# Altium PCB Antenny_v6.PcbDoc (part 1 of 2) (continued)
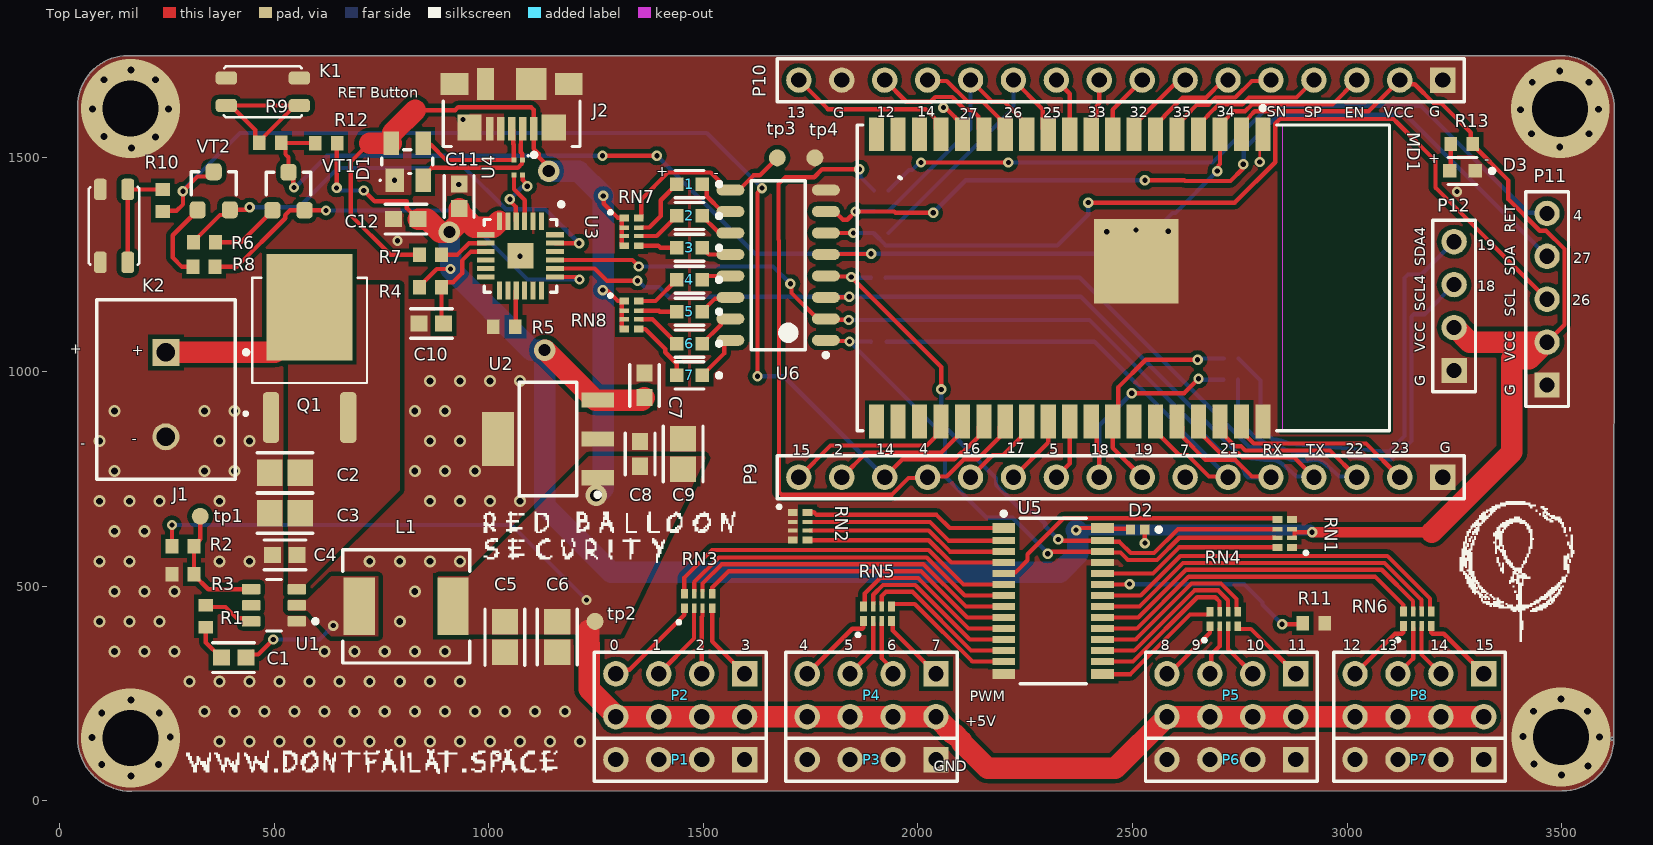
[diagram p0: Top Layer view]
## Part data (continued)
J1: library part CMP-1684-00017-1, "Female Header, Pitch 5 mm, 1 x 2 Position, Height 10 mm, Tail Length 3.5 mm, Rohs, Bulk", Color=Green, Current=13.5A, Manufacturer="TE Connectivity", Package Description="Female Header, Pitch 5 mm, 1 x 2 Position, Height 10 mm, Tail Length 3.5 mm", Package Reference=THD, Standard Package=300, Voltage=300V, 3D Model=282836-2.pdf, Category=Connectors,Interconnects, Clamp Material - Plating=Brass-NickelPlated, Contact Material - Plating=Brass-TinPlated, Datasheet URL=http://www.te.com.cn/commerce/DocumentDelivery/DDEController?Action=showdoc&DocId=Catalog+Section%7F1308389_EUROSTYLE_TERMINAL_BLOCKS%7F0607%7Fpdf%7FEnglish%7FENG_CS_1308389_EUROSTYLE_TERMINAL_BLOCKS_0607.pdf%7F282836-2, Dynamic Catalog=BuchananSeries, Family=TerminalBlocks-WiretoBoard, Featured Product=EurostyleTerminalBlockConnectors, Features=Interlocking(Side), Housing Material=Polyamide(PA66),Nylon6/6, Manufacturer URL=http://www.te.com, Mating Orientation=HorizontalwithBoard, Mounting Type=ThroughHole, Number of Levels=1, Other Names="5ULV-02B / A98076", Packaging=Bulk, Pitch="0.197\"(5.00mm)", Positions Per Level=2, Product Training Modules=Wire-to-BoardEurostyleTerminalBlocks, RoHS Information=282836-2StatementofCompliance, Screw Material - Plating=Brass-NickelPlated, Screw Thread=M3, Series=Buchanan, Torque - Screw=0.68Nm(6Lb-In), Wire Gauge=16-30AWG, Wire Termination=Screw-RisingCageClamp
J2: library part CMP-2000-05246-2, "CONN RCPT USB2.0 MICRO B SMD R/A", Current Rating=1.8A, Manufacturer=Molex, Package=0, Temperature="-30°C to +85°C", Temperature Range High=+85°C, Temperature Range Low=-30°C, Voltage Rating=30V, Automotive=No, Category=Conn, ComponentLink2Description=Datasheet, ComponentLink2URL=https://www.molex.com/webdocs/datasheets/pdf/en-us/0473460001_IO_CONNECTORS.pdf, Conn Orientation="Right Angle", Contact Material=Gold,Nickel, Device Class L1=Connectors, Device Class L2="USB Connectors", Device Class L3=unset, Digikey Description="CONN RCPT USB2.0 MICRO B SMD R/A", Footprint Url=https://www.molex.com/pdm_docs/sd/473460001_sd.pdf, Height=2.945mm, Is Female=yes, Lead Free=Yes, Manufacturer Part Number=473460001, Number of Contacts=5, Octopart=https://octopart.com/47346-0001-molex-7164928, Pitch=0.65mm, RoHS=TRUE, Shielding=true, Usb Standard="USB 2.0"
J3 J4 J5 J6 J7 J8 J9: "Resistor"
K1 K2: library part ButtonTACT, "Black Button Tactile Switch, Single Pole Single Throw (SPST) 50 mA 0.65mm Surface Mount", Case/Package=SMD/SMT, Contact Resistance=100mR, Current Rating=50mA, Manufacturer="Alps Electric", Max Operating Temperature=85°C, Max Voltage Rating (DC)=12V, Min Operating Temperature=-30°C, Operating Force=2.2N, Supplier Part Number 1=66AH7069, Actuator Length=0.65mm, Category="Tactile Switches", ComponentLink1Description=https://datasheet.ciiva.com/16156/sksc-16156198.pdf?src-supplier=Onlinecomponents.com, ComponentLink1URL=https://datasheet.ciiva.com/16156/sksc-16156198.pdf?src-supplier=Onlinecomponents.com, Contact Plating=Silver, Depth=3.85mm, Electrical Life=100000Cycles, Lead Free="Lead Free", Length=4.85mm, Manufacturer Part Number=SKSCLAE010, Max Current Rating=50mA, Mount="Surface Mount", Orientation="Right Angle", Packaging="Tape and Reel", Pricing 1="10=0.89600, 25=0.76800, 50=0.68700, 100=0.62100 (USD)", Radiation Hardening=No, RoHS=Yes, RoHS Compliant=Yes, Series=SKSC, Stock 1=4920, Supplier 1=Newark, Termination="Gull Wing", Throw Configuration=SPST, Type="TACT 4P", Voltage Rating (DC)=12V
L1: library part SRP6540, "0650_5.6UH, made in china", Case/Package=2826, Current Rating=5.5A, DC Resistance (DCR)=38mR, Inductance=5.6uH, Inductance Tolerance=20%, Manufacturer=Bourns, Manufacturer Part Number=SRP6540-5R6M, Max Operating Temperature=125°C, Min Operating Temperature=-55°C, Package Quantity=1200, Resistor Type=Wirewound, Saturation Current=6A, Self Resonant Frequency=100kHz, Supplier Part Number 1=SRP6540-5R6MCT-ND, Category="Fixed Inductors", ComponentLink1Description=https://datasheet.ciiva.com/15022/srp6540-15022023.pdf?src-supplier=Digi-Key, ComponentLink1URL=https://datasheet.ciiva.com/15022/srp6540-15022023.pdf?src-supplier=Digi-Key, ComponentLink2Description=Datasheet, ComponentLink2URL=https://www.bourns.com/docs/Product-Datasheets/SRP6540.pdf, ComponentLink3Description=https://datasheet.ciiva.com/15022/srp6540-15022024.pdf?src-supplier=Digi-Key, ComponentLink3URL=https://datasheet.ciiva.com/15022/srp6540-15022024.pdf?src-supplier=Digi-Key, ComponentLink4Description=https://datasheet.ciiva.com/15022/srp6540-15022025.pdf?src-supplier=Digi-Key, ComponentLink4URL=https://datasheet.ciiva.com/15022/srp6540-15022025.pdf?src-supplier=Digi-Key, ComponentLink5Description=https://datasheet.ciiva.com/17055/70281705-17055175.pdf?src-supplier=Allied+Electronics, ComponentLink5URL=https://datasheet.ciiva.com/17055/70281705-17055175.pdf?src-supplier=Allied+Electronics, ComponentLink6Description=https://datasheet.ciiva.com/28679/1698468-28679621.pdf?src-supplier=Element14, ComponentLink6URL=https://datasheet.ciiva.com/28679/1698468-28679621.pdf?src-supplier=Element14, Contact Plating=Tin, Core Material=Ferrite, Depth=6.7mm, Height=4mm, Height - Seated (Max)=0.157inch, Length=7.2mm, Material=Ferrite, Max DC Current=5.5A, Military Standard=Not, Mount="Surface Mount", Package=SRP6540, Packaging="Tape and Reel", Pricing 1="1=1.43000, 10=1.32600, 25=1.22360, 50=1.01980, 100=0.95860, 250=0.85664, 500=0.73426 (USD)", REACH SVHC="No SVHC", RMS Current (Irms)=5.5A, RoHS=Yes, Sample Rate (Hz)=100kHz, Series=SRP6540, Shielding=Shielded, Stock 1=95, Supplier 1=Digi-Key, Termination=SMD/SMT, Test Frequency=100kHz, Tolerance=20%, Width=6.5mm
MD1: library part CMP-194065-000005-1, "SMD MODULE, ESP32-D0WDQ6", Manufacturer="Espressif Systems", Manufacturer Part Number=ESP32-WROVER, Max Frequency=2.5GHz, Max Supply Voltage=3.6V, Min Supply Voltage=2.3V, Nominal Supply Current=80mA, Temperature="-40°C to +85°C", Temperature Range High=+85°C, Temperature Range Low=-40°C, Automotive=No, Bandwidth=0.1GHz, Category=UNK, ComponentLink2Description=Datasheet, ComponentLink2URL=https://forum.upverter.com/uploads/default/original/3X/1/9/19ab4f33dd815ce1b2b0bb210f0ab7d5aab1dea3.pdf, Data Rate=150Mbits/s, Device Class L1="Integrated Circuits (ICs)", Device Class L2="RF Semiconductors and Devices", Device Class L3=Transceivers, Digikey Description="SMD MODULE, ESP32-D0WDQ6, 32MBIT", Height=3.4mm, Interface=I2C,SPI,UART,I2S,Other, Lead Free=Yes, Mouser Description="Bluetooth and Wi-Fi Module 2.4GHz to 2.5GHz 2.3V to 3.6V 38-Pin SMD Module", Number Of Adc Channels=16, Number Of Gpio=20, Octopart=https://octopart.com/esp32-wrover-espressif+systems-89171348, Package=ESP32-WROVER, RoHS=TRUE, Sensitivity=-98dBm
P1 P3 P6 P7 P12: "Header, 4-Pin", LatestRevisionDate=17-Jul-2002, LatestRevisionNote="Re-released for DXP Platform.", Publisher="Altium Limited"
P2 P4 P5 P8: "Header, 4-Pin, Dual row", LatestRevisionDate=17-Jul-2002, LatestRevisionNote="Re-released for DXP Platform.", Publisher="Altium Limited"
P9 P10: "Header, 16-Pin", LatestRevisionDate=17-Jul-2002, LatestRevisionNote="Re-released for DXP Platform.", Publisher="Altium Limited"
P11: "Header, 5-Pin", LatestRevisionDate=17-Jul-2002, LatestRevisionNote="Re-released for DXP Platform.", Publisher="Altium Limited"
Q1: library part PMOS, "Trans MOSFET P-CH 30V 25A 3-Pin(2+Tab) DPAK", Case/Package=TO-252-3, Continuous Drain Current (ID)=25A, Drain to Source Voltage (Vdss)=30V, Gate to Source Voltage (Vgs)=20V, Input Capacitance=920pF, Manufacturer="Alpha & Omega Semiconductor", Manufacturer Part Number=AOD417, Max Operating Temperature=175°C, Max Power Dissipation=2.5W, Min Operating Temperature=-55°C, Category=MOSFETs, ComponentLink1Description=https://datasheet.ciiva.com/940/aod417-940788.pdf?src-supplier=Digi-Key, ComponentLink1URL=https://datasheet.ciiva.com/940/aod417-940788.pdf?src-supplier=Digi-Key, ComponentLink2Description=https://datasheet.ciiva.com/940/aod417-940790.pdf?src-supplier=Digi-Key, ComponentLink2URL=https://datasheet.ciiva.com/940/aod417-940790.pdf?src-supplier=Digi-Key, Lead Free="Lead Free", Mount="Surface Mount", Number of Elements=1, Number of Pins=3, Packaging="Tape and Reel", Power Dissipation=2.5W, Pricing 1="1=0.61400, 2500=0.47000, 25000=0.43700, 250000=0.25070, 1250000=0.16350, 2500000=0.16290, 25000=0.43560, 250000=0.24230, 1250000=0.15210, 2500000=0.15150 (USD)", Rds On Max=34mR, RoHS=Yes, RoHS Compliant=Yes, Series=-, Stock 1=7, Supplier 1="Arrow Electronics", Supplier Part Number 1=AOD417
R1: library part R0603, "Resistor;Resistance:30Rohm;Resistance Tolerance:± 1%;Resistor Element Material:Thick Film;Resistor Case Style:0603", Case Code (Imperial)=0603, Case Code (Metric)=1608, Manufacturer=Yageo, Manufacturer Part Number=RC0603FR-0730RL, Max Operating Temperature=155°C, Max Power Dissipation=100mW, Min Operating Temperature=-55°C, Package Quantity=1, Resistance=30R, Resistor Type="Thick Film", Supplier Part Number 1=311-30.0HRCT-ND, Temperature Coefficient=100ppm/°C, Tolerance=1%, Voltage Rating=50V, Case/Package=0603, Category="Chip SMD Resistors", ComponentLink1Description=https://datasheet.ciiva.com/11819/0900766b80c66297-11819676.pdf?src-supplier=RSComponents, ComponentLink1URL=https://datasheet.ciiva.com/11819/0900766b80c66297-11819676.pdf?src-supplier=RSComponents, ComponentLink2Description=https://datasheet.ciiva.com/2455/pyu-r-int-thick-7-2455119.pdf?src-supplier=Digi-Key, ComponentLink2URL=https://datasheet.ciiva.com/2455/pyu-r-int-thick-7-2455119.pdf?src-supplier=Digi-Key, ComponentLink3Description=https://datasheet.ciiva.com/2455/pyu-r-int-thick-7-2455120.pdf?src-supplier=Digi-Key, ComponentLink3URL=https://datasheet.ciiva.com/2455/pyu-r-int-thick-7-2455120.pdf?src-supplier=Digi-Key, ComponentLink4Description=https://datasheet.ciiva.com/2455/pyu-r-int-thick-7-2455121.pdf?src-supplier=Digi-Key, ComponentLink4URL=https://datasheet.ciiva.com/2455/pyu-r-int-thick-7-2455121.pdf?src-supplier=Digi-Key, Construction=Rectangular, Depth=0.8mm, Features="Moisture Resistant", Height=0.022inch, Lead Free="Lead Free", Length=0.063inch, Military Standard=Not, Mount="Surface Mount", Number of Terminations=2, Packaging="Tape and Reel", Power Rating=100mW, Pricing 1="1=0.10000, 10=0.02400, 100=0.00970, 1000=0.00436, 2500=0.00378 (USD)", RoHS=Yes, RoHS Compliant=Yes, Series=RC, Size Code=0603, Stock 1=13188, Supplier 1=Digi-Key, Technology="THICK FILM", Termination=SMD/SMT, Voltage Rating (DC)=50V, Width=0.031inch
R2: library part R0603, "Res Thick Film 0603 52.3K Ohm 1% 0.1W(1/10W) ±100ppm/C Pad SMD Automotive T/R", Case Code (Imperial)=0603, Case Code (Metric)=1608, Manufacturer=Vishay, Manufacturer Part Number=CRCW060352K3FKEA, Max Operating Temperature=155°C, Max Power Dissipation=100mW, Min Operating Temperature=-55°C, Package Quantity=10, Resistance=52.3kR, Resistance Tolerance=1%, Resistor Type="Thick Film", Supplier Part Number 1=541-52.3KHCT-ND, Temperature Coefficient=100ppm/°C, Voltage Rating=75V, Case/Package=0603, Category="Chip SMD Resistors", ComponentLink1Description=https://datasheet.ciiva.com/5541/dcrcwe3-109170-5541062.pdf?src-supplier=Mouser, ComponentLink1URL=https://datasheet.ciiva.com/5541/dcrcwe3-109170-5541062.pdf?src-supplier=Mouser, ComponentLink2Description=https://datasheet.ciiva.com/3257/dcrcwe3-3257708.pdf?src-supplier=Avnet, ComponentLink2URL=https://datasheet.ciiva.com/3257/dcrcwe3-3257708.pdf?src-supplier=Avnet, ComponentLink3Description=https://datasheet.ciiva.com/2466/dcrcwe3-2466068.pdf?src-supplier=Digi-Key, ComponentLink3URL=https://datasheet.ciiva.com/2466/dcrcwe3-2466068.pdf?src-supplier=Digi-Key, ComponentLink4Description=https://datasheet.ciiva.com/2466/dcrcwe3-2466069.pdf?src-supplier=Digi-Key, ComponentLink4URL=https://datasheet.ciiva.com/2466/dcrcwe3-2466069.pdf?src-supplier=Digi-Key, ComponentLink5Description=https://datasheet.ciiva.com/2466/dcrcwe3-2466070.pdf?src-supplier=Digi-Key, ComponentLink5URL=https://datasheet.ciiva.com/2466/dcrcwe3-2466070.pdf?src-supplier=Digi-Key, ComponentLink6Description=https://datasheet.ciiva.com/16426/dcrcwe3-16426232.pdf?src-supplier=Future+Electronics, ComponentLink6URL=https://datasheet.ciiva.com/16426/dcrcwe3-16426232.pdf?src-supplier=Future+Electronics, ComponentLink7Description=https://datasheet.ciiva.com/16760/70201119-16760489.pdf?src-supplier=Allied+Electronics, ComponentLink7URL=https://datasheet.ciiva.com/16760/70201119-16760489.pdf?src-supplier=Allied+Electronics, ComponentLink8Description=https://datasheet.ciiva.com/7792/125364-7792327.pdf?src-supplier=Element14, ComponentLink8URL=https://datasheet.ciiva.com/7792/125364-7792327.pdf?src-supplier=Element14, ComponentLink9Description=https://datasheet.ciiva.com/22702/1697337-22702730.pdf?src-supplier=Element14, ComponentLink9URL=https://datasheet.ciiva.com/22702/1697337-22702730.pdf?src-supplier=Element14, ComponentLink10Description=https://datasheet.ciiva.com/7816/1697337-7816042.pdf?src-supplier=Element14, ComponentLink10URL=https://datasheet.ciiva.com/7816/1697337-7816042.pdf?src-supplier=Element14, ComponentLink11Description=https://datasheet.ciiva.com/7816/1697337-7816043.pdf?src-supplier=Element14, ComponentLink11URL=https://datasheet.ciiva.com/7816/1697337-7816043.pdf?src-supplier=Element14, ComponentLink12Description=https://datasheet.ciiva.com/22870/70201119-22870776.pdf?src-supplier=Allied+Electronics, ComponentLink12URL=https://datasheet.ciiva.com/22870/70201119-22870776.pdf?src-supplier=Allied+Electronics, Construction=Rectangular, Contact Plating=Tin, Depth=0.85mm, Features="Automotive AEC-Q200", Height=0.45mm, Length=1.55mm, Military Standard=Not, Number of Pins=2, Number of Terminations=2, Packaging="Tape and Reel", Power Rating=100mW, Pricing 1="1=0.10000, 10=0.03800, 100=0.01560, 1000=0.00701, 2500=0.00608 (USD)", Radiation Hardening=No, REACH SVHC=Unknown, RoHS=Yes, RoHS Compliant=Yes, Series=CRCW, Size Code=0603, Stock 1=93162, Supplier 1=Digi-Key, Technology="THICK FILM", Termination=SMD/SMT, Tolerance=1%, Weight=7.1E-05oz, Width=0.033inch
R3: library part R0603, "VISHAY - CRCW060310K0FKEA - RES, THICK FILM, 10K, 1%, 0.1W, 0603", Case Code (Imperial)=0603, Case Code (Metric)=1608, Manufacturer=Vishay, Manufacturer Part Number=CRCW060310K0FKEA, Max Operating Temperature=155°C, Max Power Dissipation=100mW, Min Operating Temperature=-55°C, Package Quantity=10, Resistance=10kR, Resistance Tolerance=1%, Resistor Type="Thick Film", Supplier Part Number 1=8926099, Temperature Coefficient=100ppm/°C, Voltage Rating=75V, Case/Package=0603, Category="Chip SMD Resistors", ComponentLink1Description=https://datasheet.ciiva.com/11809/0900766b80d98afc-11809037.pdf?src-supplier=RSComponents, ComponentLink1URL=https://datasheet.ciiva.com/11809/0900766b80d98afc-11809037.pdf?src-supplier=RSComponents, ComponentLink2Description=https://datasheet.ciiva.com/5543/dcrcwe3-109170-5543001.pdf?src-supplier=Mouser, ComponentLink2URL=https://datasheet.ciiva.com/5543/dcrcwe3-109170-5543001.pdf?src-supplier=Mouser, ComponentLink3Description=https://datasheet.ciiva.com/3256/dcrcwe3-3256939.pdf?src-supplier=Avnet, ComponentLink3URL=https://datasheet.ciiva.com/3256/dcrcwe3-3256939.pdf?src-supplier=Avnet, ComponentLink4Description=https://datasheet.ciiva.com/3256/dcrcwe3-3256940.pdf?src-supplier=Avnet, ComponentLink4URL=https://datasheet.ciiva.com/3256/dcrcwe3-3256940.pdf?src-supplier=Avnet, ComponentLink5Description=https://datasheet.ciiva.com/2465/dcrcwe3-2465513.pdf?src-supplier=Digi-Key, ComponentLink5URL=https://datasheet.ciiva.com/2465/dcrcwe3-2465513.pdf?src-supplier=Digi-Key, ComponentLink6Description=https://datasheet.ciiva.com/2465/dcrcwe3-2465514.pdf?src-supplier=Digi-Key, ComponentLink6URL=https://datasheet.ciiva.com/2465/dcrcwe3-2465514.pdf?src-supplier=Digi-Key, ComponentLink7Description=https://datasheet.ciiva.com/2465/dcrcwe3-2465515.pdf?src-supplier=Digi-Key, ComponentLink7URL=https://datasheet.ciiva.com/2465/dcrcwe3-2465515.pdf?src-supplier=Digi-Key, ComponentLink8Description=https://datasheet.ciiva.com/26821/getdatasheetpartid-86831-26821109.pdf?src-supplier=Verical, ComponentLink8URL=https://datasheet.ciiva.com/26821/getdatasheetpartid-86831-26821109.pdf?src-supplier=Verical, ComponentLink9Description=https://datasheet.ciiva.com/16754/70201119-16754710.pdf?src-supplier=Allied+Electronics, ComponentLink9URL=https://datasheet.ciiva.com/16754/70201119-16754710.pdf?src-supplier=Allied+Electronics, ComponentLink10Description=https://datasheet.ciiva.com/16719/70201119-16719704.pdf?src-supplier=Allied+Electronics, ComponentLink10URL=https://datasheet.ciiva.com/16719/70201119-16719704.pdf?src-supplier=Allied+Electronics, ComponentLink11Description=https://datasheet.ciiva.com/16886/dcrcw-16886037.pdf?src-supplier=Avnet+Europe, ComponentLink11URL=https://datasheet.ciiva.com/16886/dcrcw-16886037.pdf?src-supplier=Avnet+Europe, ComponentLink12Description=https://datasheet.ciiva.com/26314/fld-crcw-e3-data-en-26314749.pdf?src-supplier=Distrelec, ComponentLink12URL=https://datasheet.ciiva.com/26314/fld-crcw-e3-data-en-26314749.pdf?src-supplier=Distrelec, ComponentLink13Description=https://datasheet.ciiva.com/16209/dcrcwe3-16209164.pdf?src-supplier=Future+Electronics, ComponentLink13URL=https://datasheet.ciiva.com/16209/dcrcwe3-16209164.pdf?src-supplier=Future+Electronics, ComponentLink14Description=https://datasheet.ciiva.com/46385/1697337-46385498.pdf?src-supplier=Element14, ComponentLink14URL=https://datasheet.ciiva.com/46385/1697337-46385498.pdf?src-supplier=Element14, Construction=Rectangular, Contact Plating=Tin,Lead, Depth=0.85mm, Features="Automotive AEC-Q200", Height=0.45mm, Lead Free="Lead Free", Length=1.55mm, Military Standard=Not, Number of Pins=2, Number of Terminations=2, Packaging="Tape and Reel", Power Rating=100mW, Pricing 1="5000=0.00790 (USD)", Radiation Hardening=No, REACH SVHC=Unknown, RoHS=Yes, RoHS Compliant=Yes, Series=CRCW, Size Code=0603, Stock 1=1870000, Supplier 1="Future Electronics", Technology="THICK FILM", Termination=SMD/SMT, Tolerance=1%, Voltage Rating (DC)=75V, Weight=7.1E-05oz, Width=0.033inch
R4 R5 R6 R7 R8 R11 R12: library part R0603, "PANASONIC - ERJ-3EKF1002V. - THICK FILM CHIP RES, 0603, 1%, PRECISION", Case Code (Imperial)=0603, Case Code (Metric)=1608, Manufacturer=Panasonic, Manufacturer Part Number=ERJ-3EKF1002V, Max Operating Temperature=155°C, Max Power Dissipation=100mW, Min Operating Temperature=-55°C, Package Quantity=1, Resistance=10kR, Resistance Tolerance=1%, Resistor Type="Thick Film", Supplier Part Number 1=85Y8501, Temperature Coefficient=100ppm/°C, Voltage Rating=75V, Case/Package=0603, Category="Chip SMD Resistors", ComponentLink1Description=https://datasheet.ciiva.com/48530/aoa0000ce2-48530988.pdf?src-supplier=Avnet, ComponentLink1URL=https://datasheet.ciiva.com/48530/aoa0000ce2-48530988.pdf?src-supplier=Avnet, ComponentLink2Description=https://datasheet.ciiva.com/24070/aoa0000ce2-24070318.pdf?src-supplier=Mouser, ComponentLink2URL=https://datasheet.ciiva.com/24070/aoa0000ce2-24070318.pdf?src-supplier=Mouser, ComponentLink3Description=https://datasheet.ciiva.com/9194/aoa0000ce2-9194199.pdf?src-supplier=Avnet, ComponentLink3URL=https://datasheet.ciiva.com/9194/aoa0000ce2-9194199.pdf?src-supplier=Avnet, ComponentLink4Description=https://datasheet.ciiva.com/30208/aoa0000ce2-30208985.pdf?src-supplier=Onlinecomponents.com, ComponentLink4URL=https://datasheet.ciiva.com/30208/aoa0000ce2-30208985.pdf?src-supplier=Onlinecomponents.com, ComponentLink5Description=https://datasheet.ciiva.com/16759/70260748-16759807.pdf?src-supplier=Allied+Electronics, ComponentLink5URL=https://datasheet.ciiva.com/16759/70260748-16759807.pdf?src-supplier=Allied+Electronics, ComponentLink6Description=https://datasheet.ciiva.com/7830/aoa0000ce2-7830729.pdf?src-supplier=Element14, ComponentLink6URL=https://datasheet.ciiva.com/7830/aoa0000ce2-7830729.pdf?src-supplier=Element14, ComponentLink7Description=https://datasheet.ciiva.com/28514/426256-28514198.pdf?src-supplier=Element14, ComponentLink7URL=https://datasheet.ciiva.com/28514/426256-28514198.pdf?src-supplier=Element14, ComponentLink8Description=https://datasheet.ciiva.com/46372/1678782-46372725.pdf?src-supplier=Element14, ComponentLink8URL=https://datasheet.ciiva.com/46372/1678782-46372725.pdf?src-supplier=Element14, ComponentLink9Description=https://datasheet.ciiva.com/16511/aoa0000ce2-16511861.pdf?src-supplier=Avnet+Asia, ComponentLink9URL=https://datasheet.ciiva.com/16511/aoa0000ce2-16511861.pdf?src-supplier=Avnet+Asia, ComponentLink10Description=https://datasheet.ciiva.com/17212/aoa0000ce2-17212105.pdf?src-supplier=Avnet+Europe, ComponentLink10URL=https://datasheet.ciiva.com/17212/aoa0000ce2-17212105.pdf?src-supplier=Avnet+Europe, Construction=Rectangular, Contact Plating=Tin, Depth=0.8mm, Features="Automotive AEC-Q200", Height=0.45mm, Lead Free="Lead Free", Length=1.6mm, Military Standard=Not, Mount="Surface Mount", Number of Pins=2, Number of Terminations=2, Packaging="Tape and Reel", Power Rating=100mW, Pricing 1="5000=0.00900, 10000=0.00900 (USD)", Radiation Hardening=No, REACH SVHC="No SVHC", RoHS=Yes, RoHS Compliant=Yes, Series=ERJ, Size Code=0603, Stock 1=27295001, Supplier 1=Newark, Technology="THICK FILM", Termination=SMD/SMT, Tolerance=1%, Voltage Rating (DC)=75V, Width=0.031inch
R9 R10 R13: library part R0603, "Res Thin Film 0603 1K Ohm 0.1% 1/10W ±25ppm/°C Molded SMD SMD Punched Carrier T/R", Case Code (Imperial)=0603, Case Code (Metric)=1608, Manufacturer=Panasonic, Manufacturer Part Number=ERA-3AEB102V, Max Operating Temperature=155°C, Max Power Dissipation=100mW, Min Operating Temperature=-55°C, Package Quantity=5000, Resistance=1kR, Resistance Tolerance=0.1%, Resistor Type="Thin Film", Supplier Part Number 1=0566800P, Temperature Coefficient=25ppm/°C, Voltage Rating=75V, Case/Package=0603, Category="Chip SMD Resistors", ComponentLink1Description=https://datasheet.ciiva.com/11808/0900766b80fe20f7-11808019.pdf?src-supplier=RSComponents, ComponentLink1URL=https://datasheet.ciiva.com/11808/0900766b80fe20f7-11808019.pdf?src-supplier=RSComponents, ComponentLink2Description=https://datasheet.ciiva.com/29183/450752-da-01-en-widerstand-0603-era-29183754.pdf?src-supplier=Conrad, ComponentLink2URL=https://datasheet.ciiva.com/29183/450752-da-01-en-widerstand-0603-era-29183754.pdf?src-supplier=Conrad, ComponentLink3Description=https://datasheet.ciiva.com/5734/aoa0000ce26-5734524.pdf?src-supplier=Farnell, ComponentLink3URL=https://datasheet.ciiva.com/5734/aoa0000ce26-5734524.pdf?src-supplier=Farnell, ComponentLink4Description=https://datasheet.ciiva.com/5734/485442-5734525.pdf?src-supplier=Farnell, ComponentLink4URL=https://datasheet.ciiva.com/5734/485442-5734525.pdf?src-supplier=Farnell, ComponentLink5Description=https://datasheet.ciiva.com/9198/aoa0000ce26-9198972.pdf?src-supplier=Avnet, ComponentLink5URL=https://datasheet.ciiva.com/9198/aoa0000ce26-9198972.pdf?src-supplier=Avnet, ComponentLink6Description=https://datasheet.ciiva.com/48530/era-eng-tds-48530582.pdf?src-supplier=Distrelec, ComponentLink6URL=https://datasheet.ciiva.com/48530/era-eng-tds-48530582.pdf?src-supplier=Distrelec, ComponentLink7Description=https://datasheet.ciiva.com/24071/aoa0000ce26-197354-24071510.pdf?src-supplier=Mouser, ComponentLink7URL=https://datasheet.ciiva.com/24071/aoa0000ce26-197354-24071510.pdf?src-supplier=Mouser, ComponentLink8Description=https://datasheet.ciiva.com/16853/aoa0000ce26-16853231.pdf?src-supplier=Avnet+Europe, ComponentLink8URL=https://datasheet.ciiva.com/16853/aoa0000ce26-16853231.pdf?src-supplier=Avnet+Europe, ComponentLink9Description=https://datasheet.ciiva.com/16426/aoa0000ce26-16426809.pdf?src-supplier=Future+Electronics, ComponentLink9URL=https://datasheet.ciiva.com/16426/aoa0000ce26-16426809.pdf?src-supplier=Future+Electronics, ComponentLink10Description=https://datasheet.ciiva.com/46393/1776116-46393695.pdf?src-supplier=Element14, ComponentLink10URL=https://datasheet.ciiva.com/46393/1776116-46393695.pdf?src-supplier=Element14, ComponentLink11Description=https://datasheet.ciiva.com/46422/1776116-46422455.pdf?src-supplier=Element14, ComponentLink11URL=https://datasheet.ciiva.com/46422/1776116-46422455.pdf?src-supplier=Element14, ComponentLink12Description=https://datasheet.ciiva.com/46422/485442-46422519.pdf?src-supplier=Element14, ComponentLink12URL=https://datasheet.ciiva.com/46422/485442-46422519.pdf?src-supplier=Element14, ComponentLink13Description=https://datasheet.ciiva.com/28531/485442-28531944.pdf?src-supplier=Element14, ComponentLink13URL=https://datasheet.ciiva.com/28531/485442-28531944.pdf?src-supplier=Element14, ComponentLink14Description=https://datasheet.ciiva.com/16781/70068849-16781703.pdf?src-supplier=Allied+Electronics, ComponentLink14URL=https://datasheet.ciiva.com/16781/70068849-16781703.pdf?src-supplier=Allied+Electronics, ComponentLink15Description=https://datasheet.ciiva.com/16725/70068849-16725038.pdf?src-supplier=Allied+Electronics, ComponentLink15URL=https://datasheet.ciiva.com/16725/70068849-16725038.pdf?src-supplier=Allied+Electronics, Construction=Rectangular, Contact Plating=Tin, Depth=0.8mm, Height=0.45mm, Length=1.6mm, Military Standard=Not, Mount="Surface Mount", Number of Pins=2, Number of Terminations=2, Packaging="Tape and Reel", Power Rating=100mW, Pricing 1="5=0.38700, 50=0.32600, 250=0.12700, 1250=0.06600, 2500=0.04700 (USD)", Radiation Hardening=No, REACH SVHC="No SVHC", RoHS=Yes, RoHS Compliant=Yes, Series=ERA-3A, Size Code=0603, Stock 1=1, Supplier 1=RSComponents, Technology="METAL FILM", Termination=SMD/SMT, Tolerance=0.1%, Width=0.8mm
RN1 RN2 RN3 RN4 RN5 RN6 RN7 RN8: library part YC124
U1: library part CMP-04918-000012-1, "PWR MGMT SPECIALIZED REGULATOR", Manufacturer="Texas Instruments", Max Junction Temp=+125°C, Max Supply Voltage=24V, Min Supply Voltage=4.5V, Nominal Supply Current=98uA, Output Current=3A, Output Voltage=0.8-16V, Package=DDC0006A, Switching Frequency=500kHz, Temperature="-40°C to +125°C", Temperature Range Low=-40°C, Automotive=No, Category=IC, ComponentLink2Description=Datasheet, ComponentLink2URL=http://www.ti.com/lit/ds/symlink/tps56339.pdf, Device Class L1="Integrated Circuits (ICs)", Device Class L2="Power Management ICs", Device Class L3="Voltage Regulators - Switching", Digikey Description="PWR MGMT SPECIALIZED REGULATOR", Height=1.1mm, Lead Free=Yes, Manufacturer Part Number=TPS56339DDCR, Max Duty Cycle=97%, Mouser Description="4.5-V to 24-V input, 3-A output synchronous buck converter 6-SOT-23-THIN -40 to 125", Number Of Outputs=1, Octopart=https://octopart.com/tps56339ddcr-texas+instruments-101466410, Output Type=AdjustableProgrammable, RoHS=TRUE, Standoff Height=0mm, Switching Topology=Buck, Temperature Range High=+125°C
U2: library part CMP-0136-00504-1, "1000 mA, Low Voltage, Low Quiescent Current LDO Regulator, 3-Pin SOT-223, Extended Temperature", DatasheetVersion="revA, Aug-2007", PackageDescription="3-Lead Plastic Small Outline Transistor (DB) [SOT-223]", PackageReference=SOT-223-DB3, PackageVersion="revBB, Aug-2009"
U3: library part CMP-2000-07570-1, "USBXpress(TM) Family, 4 GPIOs, 2.2 to 3.6 V, -40 to 85 degC, 24-Pin QFN, RoHS", Case\/Package=QFN, Manufacturer="Silicon Labs", Max Operating Temperature=85degC, Max Supply Voltage=3.6V, Min Operating Temperature=-40degC, Min Supply Voltage=3V, Package Description="24-Pin Quad Flat No-lead Package, Body 4 x 4 mm, Pitch 0.5 mm", Package Reference=QFN-24-2550x2550TP_A, Datasheet URL=http://www.silabs.com/documents/public/data-sheets/cp2102n-datasheet.pdf, Datasheet Version="Rev. 1.1, 08/2016", Manufacturer URL=http://www.silabs.com/, Mounting Technology=SurfaceMount, Number of Pins=24, REACH SVHC=Unknown, RoHSCompliant=False
U4: "EXC14CE900U"
U5: library part CMP-1595-00004-2, "16-Channel, 12-Bit PWM Fm+ I2C-Bus LED Controller, 2.3 to 5.5 V, -40 to 85 degC, 28-Pin TSSOP (SOT361-1), RoHS, Tape and Reel", Frequency="25000000 Hz", PartNumber=PCA9685, Supply Current Max="10 mA", Supply Voltage Max="5.5 V", Supply Voltage Min="2.3 V", Temperature Max="85 degC", Temperature Min="-40 degC", Code_JEDEC=MO-153, ComponentLink1Description="Manufacturer URL", ComponentLink1URL=http://www.nxp.com/, ComponentLink2Description=Datasheet, ComponentLink2URL=http://www.nxp.com/documents/data_sheet/PCA9685.pdf, ComponentLink3Description="Package Specification", ComponentLink3URL=http://www.nxp.com/documents/outline_drawing/sot361-1_po.pdf, DatasheetVersion="Rev. 4", Mounting Technology="Surface Mount", PackageDescription="28-Pin Small Outline Package, Body 9.7 x 4.4 mm, Pitch 0.65 mm", PackageVersion=02/2003, Packing="Tape and Reel", RoHS=TRUE
U6: library part CMP-2000-04953-1, "High-Voltage, High-Current Darlington Transistor Array, 0.5 A, 50 V, -20 to 70 degC, 16-Pin SOIC (D), Green (RoHS & no Sb/Br), Tape and Reel", Manufacturer=TexasInstruments, Maximum Collector Emitter Saturation Voltage=1.1@100mA, Maximum Collector Emitter Voltage=50V, Package=16SOIC, Package Description="16-Pin Plastic Small Outline, Body 9.9 x 3.9 mm, Pitch 1.27 mm", Package Reference=D16, Package Version="4040047-6/M, 06/2011", Peak DC Collector Current=0.5A, Category=DarlingtonBJT, Configuration=Array7, Datasheet URL=http://www.ti.com/general/docs/lit/getliterature.tsp?genericPartNumber=uln2003a&fileType=pdf, Datasheet Version="Rev. O, 01/2016", Manufacturer URL=http://www.ti.com/, Mounting=SurfaceMount, Package URL=http://www.ti.com/lit/ml/mpds178g/mpds178g.pdf, Packaging=Tape&Reel, Rad Hard=No, Type=NPN
VT1 VT2: library part SMT_TRIODE_NPN, "Surface mount NPN transistor, package SOT-23"

## Via types
v1: diameter 28, hole 16, Top Layer to Bottom Layer, 122 vias
v2: diameter 24, hole 12, Top Layer to Bottom Layer, 61 vias
v3: diameter 230, hole 130, Top Layer to Bottom Layer, 4 vias
v4: diameter 50, hole 28, Top Layer to Bottom Layer, 4 vias

## Nets (pads, with @x,y where several pads share a name; then routed paths per layer and width w, separated by ;. In a path a pad name is that pad's centre, name@x,y a point inside that pad or via, vN(x,y) a via of type N, cw(c..) or ccw(c..) an arc to the next point about the centre after c; other vN are vias at no path point)
+5: C5.1 C6.1 C8.1 C9.1 D1.4 J2.1 L1.2 P2.2 P2.4 P2.6 P2.8 P4.2 P4.4 P4.6 P4.8 P5.2 P5.4 P5.6 P5.8 P8.2 P8.4 P8.6 P8.8 R2.2 R7.1 RN7.1 RN7.2 RN7.3 RN7.4 RN8.1 RN8.2 RN8.3 RN8.4 tp2.1 U2.1 | length 5493.1
  Top Layer w10: v2(261.81,642.72) 261.95,642.58 261.95,593.29 R2.2@262.09,593.15 ; 722.44,1532.48 678.15,1488.19 678.15,1365.16 770.67,1272.64 R7.1@838.58,1272.64 ; 828.74,1609.25 921.77,1609.25 928.66,1616.14 1098.75,1616.14 1104.61,1610.28 J2.1@1104.61,1565.51 1104.61,1519.41 1116.59,1507.42 1116.59,1500.35 1139.76,1477.18 v4(1139.76,1466.95) ; v2(1265.75,1189.96) 1266.9,1188.81 1276.35,1188.81 1300.79,1164.37 1309.84,1164.37 1309.84,1141.73 1309.84,1122.05 RN8.4@1309.84,1099.41 ; v2(1266.73,1409.45) 1267.88,1408.3 1267.88,1391.17 1300.79,1358.27 1309.84,1358.27 1309.84,1335.63 1309.84,1315.94 RN7.4@1309.84,1293.31
  Top Layer w50: 722.44,1532.48 D1.4@772.64,1532.48 ; D1.4@776.57,1557.09 828.74,1609.25 ; 1233.27,397.64 1233.27,366.14 1234.25,365.16 1234.25,260.4 1296.1,198.55 P2.8@1296.1,196.1 P2.6@1396.1,196.1 P2.4@1496.1,196.1 ; P2.4@1503.74,196.1 P2.2@1596.1,196.1 P4.8@1741.91,196.1 P4.6@1841.91,196.1 P4.4@1941.91,196.1 P4.2@2041.91,196.1 2081.38,156.63 2084.28,156.63 2102.43,138.47 2102.43,135.57 2162.06,75.94 2459.92,75.94 P5.8@2580.07,196.1 P5.6@2680.07,196.1 P5.4@2780.07,196.1 P5.2@2880.07,196.1 P8.8@3018.24,196.1 P8.6@3118.24,196.1 P8.4@3218.24,196.1 P8.2@3318.24,196.1
  Bottom Layer w10: v2(261.81,642.72) 1053.11,642.72 v2(1227.68,468.15)
  Bottom Layer w50: v4(1139.76,1466.95) 1209.23,1466.95 v2(1266.73,1409.45) 1266.73,728.35 v4(1250,711.61)
+12: C2.1 C3.1 C4.1 Q1.3 U1.3
A0: RN2.8 U5.1 | length 466.5
  Top Layer w10: RN2.8@1748.43,672.24 1757.48,672.24 1763.39,666.34 2043.31,666.34 2073.82,635.83 U5.1@2199.8,635.83
A1: RN2.7 U5.2 | length 469.3
  Top Layer w10: RN2.7@1748.43,649.61 2028.14,649.61 2071.45,606.3 U5.2@2199.8,606.3
A2: RN2.6 U5.3 | length 471.8
  Top Layer w10: RN2.6@1748.43,629.92 2025.2,629.92 2074.41,580.71 U5.3@2199.8,580.71
A3: RN2.5 U5.4 | length 473
  Top Layer w10: RN2.5@1748.43,607.28 2025.21,607.28 2077.38,555.12 U5.4@2199.8,555.12
A4: RN1.5 U5.5 | length 676.1
  Top Layer w10: U5.5@2218.5,529.53 2221.38,532.4 2227.09,532.4 2255.18,560.49 2255.18,574.37 2339.45,658.64 2813.71,658.64 2813.76,658.58 2828.62,658.58 RN1.5@2831.69,655.51
A5: RN1.8 U5.24 | length 426.9
  Top Layer w10: U5.24@2430.12,529.53 2547.47,529.53 2608.49,590.55 RN1.8@2831.69,590.55
BAT12V: J1.1 Q1.4 | length 392.8
  Top Layer w50: J1.1@247.68,1045 501.65,1045 582.68,1126.02 Q1.4@582.68,1150.24
BNO_RESET: J7.2 P11.5 | length 1719.4
  Top Layer w10: v2(2006.89,1487.2) v2(2210.63,1487.2)
  Bottom Layer w10: J7.2@1931.37,1422.24 1978.98,1469.86 1986.05,1469.86 2003.4,1487.2 v2(2006.89,1487.2) ; v2(2210.63,1487.2) 2686.02,1487.2 2817.91,1619.09 3172.24,1619.09 3421.02,1370.31 3463.94,1370.31 P11.5@3465.55,1368.7
BOOT_OP0: MD1.25 P9.14 R10.2 VT2.3 | length 2770.6
  Top Layer w10: R10.2@240.16,1373.03 242.13,1375 272.69,1375 287.4,1389.72 v2(287.4,1420.28) 321.76,1454.64 348.34,1454.64 VT2.3@359.25,1465.55 ; v2(1625.98,989.17) 1625.98,1416.79 v2(1636.69,1427.49) ; P9.14@1922.44,753.94 1964.3,795.79 2084.36,795.79 2100.36,811.79 2104.32,811.79 2140.83,848.3 2140.83,870.94 MD1.25@2153.54,883.66
  Bottom Layer w10: v2(287.4,1420.28) 287.4,1423.23 420.28,1556.1 1508.08,1556.1 v2(1636.69,1427.49) ; v2(1625.98,989.17) 1687.2,989.17 P9.14@1922.44,753.94
CLK: MD1.20
CMD: MD1.19
D_N: U3.4 U4.4 | length 140.6
  Top Layer w10: v2(1049.21,1401.57) 1049.21,1397.79 1063.15,1383.85 1063.15,1351.42 U3.4@1064.06,1350.51 ; U4.4@1078.27,1457.8 1079.17,1456.89 1079.17,1446.27 1089.57,1435.87 v2(1089.57,1432.09)
  Bottom Layer w10: v2(1049.21,1401.57) 1077.05,1429.41 1086.89,1429.41 v2(1089.57,1432.09)
D_P: U3.3 U4.3 | length 117.7
  Top Layer w10: U4.3@1058.58,1457.8 1058.58,1424.73 1083.74,1399.57 U3.3@1083.74,1350.51
DATA_N: D1.2 J2.2 U4.1 | length 336.7
  Top Layer w10: D1.2@847.44,1445.87 847.44,1455.71 866.43,1474.7 1067.42,1474.7 1077.36,1484.64 1077.36,1492.32 U4.1@1078.27,1493.23 1078.27,1507.46 1074.27,1511.46 1074.27,1518.68 1074.22,1518.73 1074.22,1529.07 1075.16,1530.01 1075.16,1561.65 J2.2@1079.02,1565.51
DATA_P: D1.3 J2.3 U4.2 | length 301.8
  Top Layer w10: D1.3@847.44,1532.48 851.38,1528.54 865.16,1528.54 900.47,1493.23 U4.2@1058.58,1493.23 1058.27,1493.54 1058.27,1512.05 1058.22,1512.1 1058.22,1529.07 1057.28,1530.01 1057.28,1561.65 J2.3@1053.43,1565.51
DTR: R6.2 U3.23 VT2.2 | length 1100.1
  Top Layer w10: R6.2@312.01,1301.18 312.01,1303.15 373.83,1364.97 384.65,1364.97 VT2.2@396.65,1376.97 435.38,1376.97 441.29,1382.87 v2(442.91,1382.87) ; U3.23@1154.67,1299.27 v2@1210.6,1299.24
  Bottom Layer w10: v2(442.91,1382.87) 557.54,1382.87 649.08,1474.41 943.85,1474.41 1039.69,1378.57 1131.27,1378.57 v2(1210.63,1299.21)
EN: MD1.3 P10.3 R9.2 R12.1 U6.5 VT1.3 | length 3130.6
  Top Layer w10: R9.2@516.73,1533.46 R9.2@517.72,1532.48 ; v2(546.26,1429.13) 548.07,1430.95 548.07,1435.6 544.48,1439.19 544.48,1450.21 533.46,1461.23 533.46,1499.25 526.5,1506.22 526.5,1523.7 R9.2@517.72,1532.48 ; R12.1@595.47,1532.48 R9.2@517.72,1532.48 ; v2(1264.76,1502.95) v2(1391.73,1502.95) ; U6.5@1785.43,1273.03 1786.58,1274.18 1890.41,1274.18 v2(1890.81,1274.58) ; v2(2697.3,1467.13) 2699.98,1469.81 2699.98,1480.34 2703.54,1483.91 2703.54,1574.61 2724.83,1595.89 2724.83,1596.88 2734.55,1606.61 2761.93,1606.61 2777.93,1622.61 2965.91,1622.61 P10.3@3022.44,1679.13
  Bottom Layer w10: v2(546.26,1429.13) 549.21,1429.13 623.03,1502.95 v2(1264.76,1502.95) ; v2(1391.73,1502.95) 1620.1,1274.58 v2(1890.81,1274.58) 2498.01,1274.58 2592.94,1369.52 2599.69,1369.52 v2(2697.3,1467.13)